# Altium PCB 2019.07.15.master.PcbDoc (part 2 of 7) (continued)
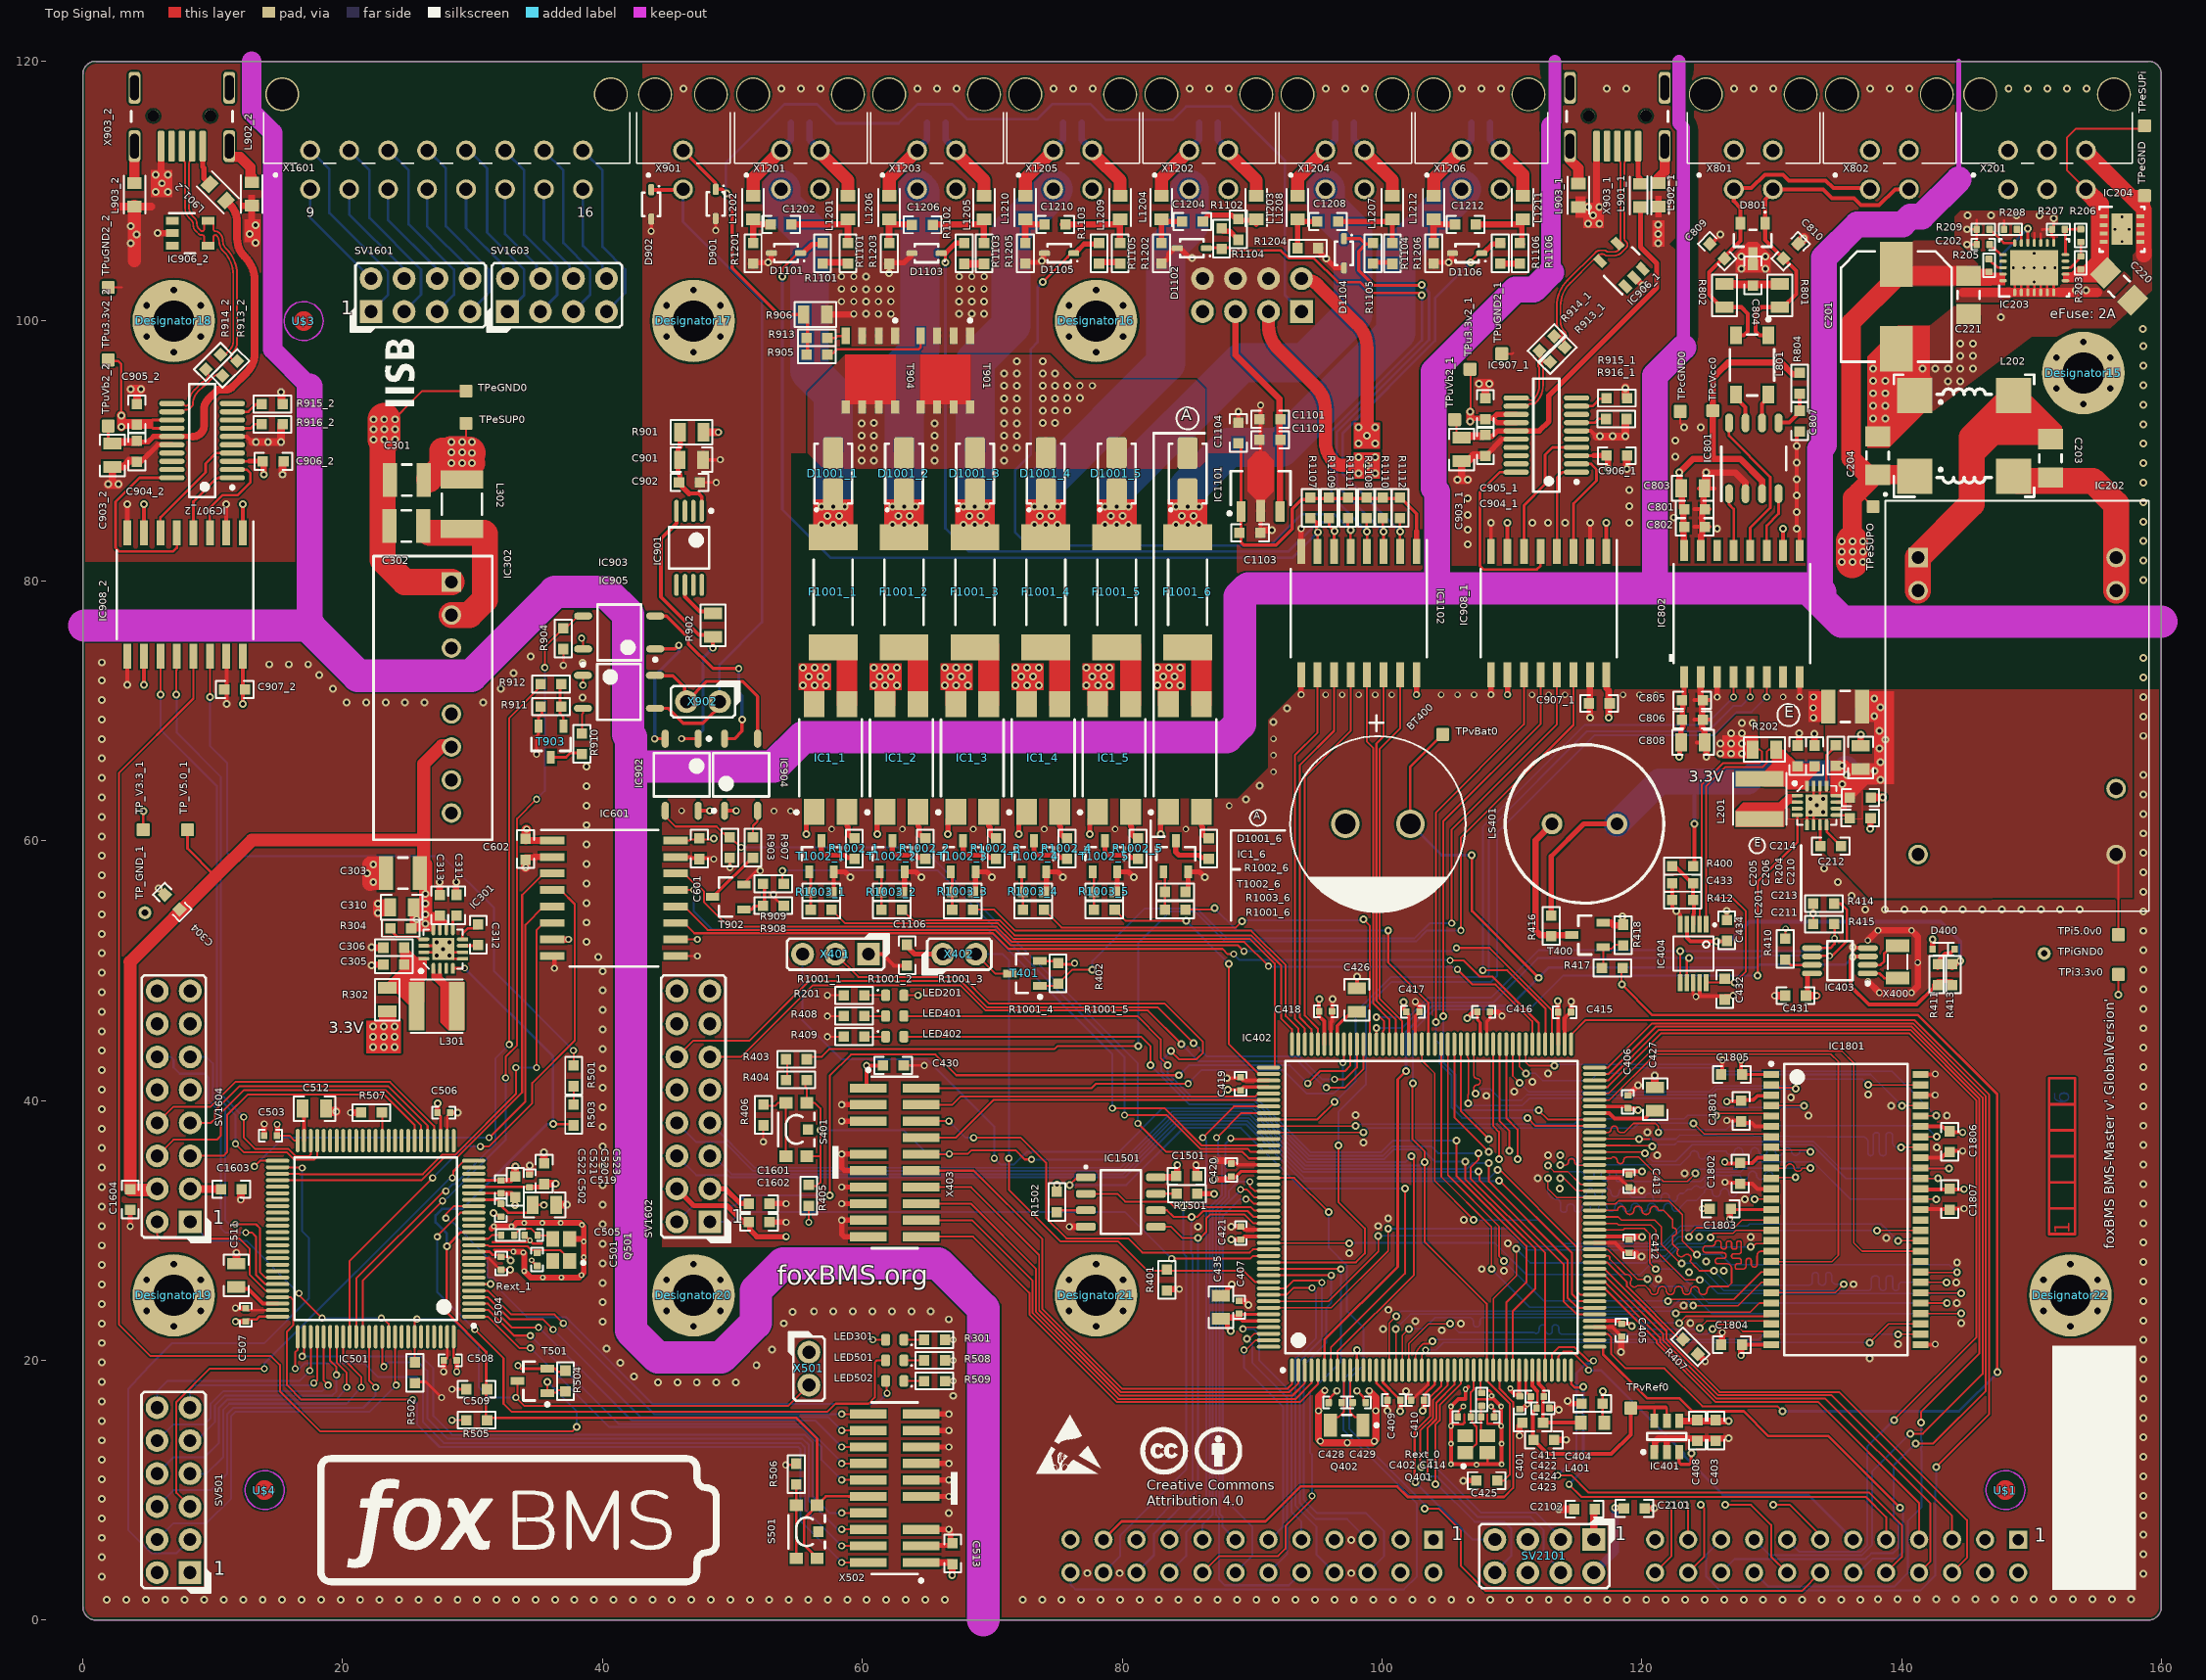
[diagram p0: Top Signal view]
## Part data (continued)
IC501: library part CMP-0243-00030-2, "ARM Cortex-M4 32-bit MCU+FPU, 225 DMIPS, 2048 kB Flash, 256 kB Internal RAM, 82 I/Os, 100-pin LQFP, -40 to 85 degC, Tray", I/Os (High Current)=82, Manufacturer=STMicroelectronics, Operating Frequency(F) (Processor speed) (MHz)=180, Supply Voltage(Vcc) max (V)=3.6, Supply Voltage(Vcc) min (V)=1.8, ComponentLink1Description="Manufacturer URL", ComponentLink1URL=http://www.st.com/web/en/home.html, ComponentLink2Description=Datasheet, ComponentLink2URL=http://www.st.com/st-web-ui/static/active/en/resource/technical/document/data_brief/DM00053488.pdf, ComponentLink3Description="Package Specification", ComponentLink3URL=http://www.st.com/st-web-ui/static/active/en/resource/technical/document/data_brief/DM00071938.pdf, Core="ARM Cortex-M4", D/A Converter=2x12-bit, DatasheetVersion="Rev. 2", FLASH Size (Prog) (kB)=2048, Internal RAM Size (kB)=256, Mounting Technology="Surface Mount", PackageDescription="100-Pin Low Profile Quad Flat Package, 14 x 14 mm Body, 0.5 mm Pitch", PackageReference=LQFP100, PackageVersion="Rev. 1, 06/2013", Packing=Tray, PartNumber=STM32F429VIT6
IC601 IC802 IC906_1 IC906_2 IC908_1 IC908_2 IC1102: "Imported", Manufacturer="Texas Instruments", RefDes=RefDes, TYPE=TYPE
  IC601 IC908_1 IC908_2: PartNumber=ISO7741DWR
  IC802: PartNumber=ISOW7841DWER
  IC906_1 IC906_2: PartNumber=ESDS302DBVR
  IC1102: PartNumber=ISO7760DWR
IC801: "Imported", Manufacturer="Texas Instruments", PartNumber=TCAN1042HGVDQ1, RefDes=RefDes, TYPE=TYPE
IC901: library part CMP-0324-00209-2, "Adjustable Regulator with 3.7 to 38 V Input and 1.2 to 32 V Output, 0 to 125 degC, 8-Pin TSSOP (PW), Green (RoHS & no Sb/Br)", Manufacturer="Texas Instruments", Code_JEDEC=MO-153, ComponentLink1Description=Datasheet, ComponentLink1URL=http://www.ti.com/general/docs/lit/getliterature.tsp?genericPartNumber=LM317L&fileType=pdf, ComponentLink2Description="Package Specification", ComponentLink2URL=http://www.ti.com/litv/pdf/mtss001d, ComponentLink3Description="URL Link1", ComponentLink3URL="Samples URL:http://www.ti.com/product/lm317l#samples", DatasheetVersion=SLCS144D, Eco-Plan="Green (RoHS & no Sb/Br)", Iout(Max)(A)=0.1, Mounting Technology="Surface Mount", PackageDescription="8-Pin Plastic Thin Small Outline Package 3 x 4.4 mm Body ,0.65 mm Pitch", PackageReference=PW8, PackageVersion="revG, Feb-2011", PartId=1, PartNumber=LM317LCPWR, Vin(Max)(V)=38, Vin(Min)(V)=3.7, Vout(Max)(V)=32, Vout(Min)(V)=1.2
IC902 IC903 IC904 IC905: "Single-Pole, Normally Open 4-Pin SOP OptoMOS Relay", Manufacturer=CLARE, Operating Temperature="-40°C - +85°C", Supplier Part Number 1=1653755, Automotive Qualified=False, ComponentLink1Description=Datasheet, ComponentLink1URL=http://www.farnell.com/datasheets/1924621.pdf, Part Name=CPC1008N, Part Number=CPC1008N, Supplier 1=Farnell
IC907_1 IC907_2: library part CMP-0248-00024-2, "USB to Full-Handshake UART Interface Chip, UHCI/OHCI/EHCI Compatible, USB 2.0 Compatible, -40 to +85 degC, 20-Pin SSOP, Pb-Free, Tape and Reel", Manufacturer=FTDI, Code_JEDEC=MO-137-AD, ComponentLink1Description="Manufacturer URL", ComponentLink1URL=http://www.ftdichip.com/, ComponentLink2Description=Datasheet, ComponentLink2URL=http://www.ftdichip.com/Support/Documents/DataSheets/ICs/DS_FT231X.pdf, ComponentLink3Description="FT231X Product Page", ComponentLink3URL=www.ftdichip.com/Products/ICs/FT231X.html, DatasheetVersion="ver 1.2, Feb-2013", PackageDescription="20-Pin Small Outline Package, 8.6 x 3.9 mm Body, 0.635 mm Pitch", PackageReference=SSOP-20, PackageVersion=Feb-13, PartNumber=FT231XS-R, RevisionNote="DatasheetVersion updated to 1.2 Feb-2013"
IC1101: library part CMP-2000-07341-1, "Positive-Voltage Regulator, 100 mA, 0 to 125 degC, 3-Pin SOT-89 (PK), Green (RoHS & no Sb/Br), Tape and Reel", Input Voltage MAX=20V, Input Voltage MIN=7V, Manufacturer=TexasInstruments, Maximum Operating Temperature=+125C, Minimum Operating Temperature=0C, Output Current=100mA, Output Voltage=5V, Package / Case=SOT-89-4, Package Description="3-Pin Small Outline Transistor, Body 4.5 x 2.5 mm, Pitch 1.5 mm", Package Reference=PK0003A, Brand=TexasInstruments, Datasheet URL=http://www.ti.com/lit/ds/symlink/ua78l05.pdf, Datasheet Version="Rev. U, 05/2011", Line Regulation=200mV, Load Regulation=60mV, Manufacturer URL=http://www.ti.com/, Mounting Style=SMD/SMT, Mounting Technology=SurfaceMount, Number of Outputs=1, Output Type=Fixed, Package URL=http://www.ti.com/lit/ml/mhsi001b/mhsi001b.pdf, Packaging=Reel, Polarity=Positive, Product Category=LinearVoltageRegulators, PSRR / Ripple Rejection - Typ=49dB, RoHS=True, Series=UA78L05
IC1501: library part M95M02-DRMN6TP, "FRAM (Ferroelectric RAM) Memory IC 2Mb (256K x 8) SPI 40MHz 8-SOP", Manufacturer="Fujitsu Electronics America, Inc.", Operating Temperature="-40°C - +85°C", PnP Package=SOIC-8, Supplier Part Number 1=865-1286-1-ND, Automotive Qualified=False, ComponentLink1Description=Datasheet, ComponentLink1URL=http://www.st.com/resource/en/datasheet/m95m02-dr.pdf, Part Name=MB85RS2MTAPNF-G-BDERE1, Part Number=MB85RS2MTAPNF-G-BDERE1, Supplier 1=Digikey
IC1801: "SDRAM, 4M x 16 Bit", Manufacturer="INTEGRATED SILICON SOLUTION (ISSI)", Operating Temperature="-40 / o / C to +85 / o / -40°C - +85°C", PnP Package="TSOP II", Supplier Part Number 1=2253831, Automotive Qualified=True, ComponentLink1Description=Datasheet, ComponentLink1URL=http://www.farnell.com/datasheets/1674895.pdf, Part Name=IS42S16400J-7TLI, Part Number=IS42S16400J-7TLI, Supplier 1=Farnell
JP2201 JP2202: library part CMP-1023-00145-1, "Low Profile Socket Strips, Through-hole, Vertical, -55 to 105 degC, 2.54 mm Pitch, 24-Pin, Female, RoHS", Manufacturer=Samtec, Temperature Range="-55 to 105 degC", ComponentLink1Description="Manufacturer URL", ComponentLink1URL=http://www.samtec.com, ComponentLink2Description=Datasheet, ComponentLink2URL=http://www.samtec.com/documents/webfiles/pdf/SLW.PDF, ComponentLink3Description="Package Specification", ComponentLink3URL=http://www.samtec.com/documents/webfiles/cpdf/SLW-1XX-01-X-X-MKT.pdf, DatasheetVersion=F-214, Mounting Technology=Through-hole, Orientation=Vertical, PackageDescription="Low Profile Socket Strip", PackageReference=SLW-112-01-X-D, PackageVersion="X, 9/1987", PartNumber=SLW-112-01-T-D, Pitch="2.54 mm", RoHS=True, System=Connector
L201 L301: library part INDUCTOR, "1u 3.8A 25mR 20% IFSC-1515 inductor, RoHS compliant", DBDesc="Wurth 74404042010, 1u 3.2A 27mR 30% inductor, RoHS compliant", ID=25863
L202: library part 744272222, "2.2mH @ 100kHz 2 Line Common Mode Choke Surface Mount 7.5 kOhms @ 4MHz 750mA DCR 300mOhm", Manufacturer="Wurth Electronics Inc.", SupplierPartNumber=732-1494-1-ND, Built_By=EMA_UL_Team, Copyright="Copyright (C) 2018 Accelerated Designs. All rights reserved", Manufacturer_Part_Number=744272222, RefDes=RefDes, TYPE=DEV, Vendor=Murata
L302: library part Inductor, "3.9µH Unshielded Wirewound Inductor 1.32A 140mOhm Max 1812 (4532 Metric)", PartNumber=RLS-397, Code_IEC=1005, Code_JEITA=4532, LatestRevisionDate=29-May-2009, LatestRevisionNote="IPC-7351 Footprint Added.", PackageDescription="Chip Inductor", PackageReference=4532, Published=8-Jun-2000, Publisher="Altium Limited"
L401: library part CMP-0686-00649-2, "Chip Ferrite Bead for General Signal lines, 470 Ohm, 700 mA, -55 to 125 degC, 2 x 1.25 x 1.05 mm SMD, Tape and Reel", DC Resistance="0.19 Ohm Max.", Manufacturer=Murata, Operating Temperature Range="-55 to 125 degC", Rated Current="700 mA", ComponentLink1Description="Manufacturer URL", ComponentLink1URL=http://www.murata.com/, ComponentLink2Description=Datasheet, ComponentLink2URL=http://www.murata.com/products/catalog/pdf/c31e.pdf, ComponentLink3Description="Package Specification", ComponentLink3URL=http://www.murata.com/products/catalog/pdf/c31e.pdf, DatasheetVersion=08/2013, Impedance (at 100 MHz)="470 Ohm +/- 25%", Mounting Technology="Surface Mount", PackageDescription="2-Pin Chip, Body 2 x 1.25 mm", PackageReference=BLM21_H1050-2, Packing="Tape and Reel", PartNumber=BLM21AG471SN1J
L801: library part CMP-2000-05391-1, "Common-Mode Choke for CAN Bus System, 51uH, 50 V DC, -40 to 150 degC, 4-Pin SMD, RoHS, Tape and Reel", Current=200mA, DC Resistance (DCR)=1OhmMax, Inductance=51µH, Manufacturer=TDK, Operating Temperature=-40degC~150degC, Package / Case=Horizontal,4PCPad, Standard Package=1, Catalog Drawings="(ACM4532,ACT45B)-xxx-2P_Top /  / ACT45B-xxx-2P_Side /  / ACT45B-xxx-2P_Bottom", Category=Filters, Datasheet URL=https://datasheet.ciiva.com/22726/1649098-22726290.pdf, Datasheet Version=Aug-12, Dynamic Catalog=ACTSeries, Family=CommonModeChokes, Featured Product=FerriteChipCommon-ModeFilterforCAN-BUSSystem, Filter Type=Data,SignalLine, Impedance=2.8kOhm, Manufacturer URL=http://www.tdk.com/, Mounting Type=SurfaceMount, Number of Lines=2, Other Drawings="ACM3225SeriesSchematic /  / ACT45B-xxx-2P_Footprint", Other Names=445-3958-6, Packaging=Digi-Reel, Series=ACT
L901_1 L901_2 L902_1 L902_2 L903_1 L903_2 L1201 L1202 L1203 L1204 L1205 L1206 L1207 L1208 L1209 L1210 L1211 L1212: library part C5133952-28DE-41F1-874F-4A9C3E40D898, "Chip Ferrite Bead for General Signal lines, 470 Ohm, 700 mA, -55 to 125 degC, 2 x 1.25 x 1.05 mm SMD, Tape and Reel", DC Resistance="0.19 Ohm Max.", Manufacturer=Murata, Operating Temperature Range="-55 to 125 degC", Rated Current="700 mA", ComponentLink1Description="Manufacturer URL", ComponentLink1URL=http://www.murata.com/, ComponentLink2Description=Datasheet, ComponentLink2URL=http://www.murata.com/products/catalog/pdf/c31e.pdf, ComponentLink3Description="Package Specification", ComponentLink3URL=http://www.murata.com/products/catalog/pdf/c31e.pdf, DatasheetVersion=08/2013, Impedance (at 100 MHz)="470 Ohm +/- 25%", Mounting Technology="Surface Mount", PackageDescription="2-Pin Chip, Body 2 x 1.25 mm", PackageReference=BLM21_H1050-2, Packing="Tape and Reel", PartNumber=BLM21AG471SN1J
LED201 LED301: library part gen_LED_0603_orange, "LED", Breakdown Voltage=5V, Continuous Forward Current=20mA, Forward Voltage @ 20mA=2.2V, PnP Package=LED_0603, Supplier Part Number 1=2099222, Automotive Qualified=False, Color=orange, Part Number=gen_LED_0603_orange, Supplier 1=Farnell
LED401 LED501: library part gen_LED_0603_red, "LED", Breakdown Voltage=5V, Continuous Forward Current=20mA, Forward Voltage @ 20mA=2V, PnP Package=LED_0603, Supplier Part Number 1=2099221, Automotive Qualified=False, Color=red, Part Number=gen_LED_0603_red, Supplier 1=Farnell
LED402 LED502: library part gen_LED_0603_green, "LED", Breakdown Voltage=5V, Continuous Forward Current=20mA, Forward Voltage @ 20mA=2.2V, PnP Package=LED_0603, Supplier Part Number 1=2099223, Automotive Qualified=False, Color=green, Part Number=gen_LED_0603_green, Supplier 1=Farnell
LS401: library part Speaker, "Loudspeaker", DBDesc="BUZZER PIEZO 4KHZ 12.2MM PC MNT, RoHS compliant", ID=17009
Q401 Q501: library part CMP-0449-00001-1, "Crystal,CRYSTAL 40MHZ 15PF 85degC Surface Mount 2.5 x 2.0 mm", Frequency Range="32000 kHz", Load Capacitance="8 pF", Manufacturer=Kyocera, Motional Series Resistance="50 ohm (max)", Operating Temperature="-10 to 70 degC", Supplier Part Number 1=FH4000039DKR-ND, ComponentLink1Description="Manufacturer URL", ComponentLink1URL=http://global.kyocera.com/, ComponentLink2Description=Datasheet, ComponentLink2URL=http://global.kyocera.com/prdct/electro/pdf/xtal/cx2520db_cs_e.pdf, ComponentLink3Description="Package Specification", ComponentLink3URL=http://global.kyocera.com/prdct/electro/pdf/xtal/cx2520db_cs_e.pdf, Drive Level="10uW (100uW max.)", Mounting Technology="Surface Mount", PackageDescription="4-Pin Hand Drawn，Body 2.5x2mm", PackageReference=CX2520DB32000D0GEJZ1-4, Packing="Tape and Reel", PartNumber=CX2520DB32000D0GEJZ1, Supplier 1=Digi-Key
Q402: library part CMP-2000-05107-1, "Crystal, 32.768 KHz, 12.5 pF, -40 to 85 degC, 2-Pin SMD, RoHS, Tape and Reel", Frequency Stability=20PPM, Load Capacitance=12.5pF, Manufacturer=Epson, Operating Temperature Range=-40Cto+85C, Package / Case=3.2mmx1.5mm, Package Description="2-Pin Surface Mount Device, Body 3.2 x 1.5 mm", Package Reference=FC-135, Supplier Part Number 1=SER4071DKR-ND, =Q3805CA00002212, Brand=EpsonTiming, Datasheet URL=https://datasheet.ciiva.com/15116/getdatasheetpartid-112713-15116373.pdf, Datasheet Version=Nov-12, Drive Level=0.5uW, ESR=65kOhms, Factory Pack Quantity=250, Frequency=32.768kHz, Height=0.8mm, Length=3.2mm, Manufacturer URL=https://www.eea.epson.com/, Mounting Style=SMD/SMT, Packaging=Reel, Product Category=Crystals, RoHS=True, Series=FC-135R/FC-135/FC-255, Supplier 1=Digi-Key, Termination Style=SMD/SMT, Tolerance=20PPM, TYPE=kHzCrystal, Unit Weight=0.000564oz, Width=1.5mm
R201 R301 R408 R409 R508 R509: library part gen_R_130R_0603, "SMD Resistor 130R 0603", Case EIA=0603, Case Metric=1608, Maximum Working Voltage=75V, Operating Temperature="-55°C - +155°C", PnP Package=R_0603, Power=0.1W, Supplier Part Number 1=2379959, Tolerance=1%, Automotive Qualified=False, Part Number=gen_R_130R_0603, PnP Value=130R, Resistance=130R, Series="E24, E96", Supplier 1=Farnell
R202 R203 R204 R205 R206 R207 R208 R209 R302 R304 R400 R410 R411 R412 R413 R414 R415: library part Res2, "Resistor"
  R202 R302: DBDesc="10m 0805 0-350ppm 5% 250mW current sense resistor, RoHS compliant", ID=21805
  R203 R204 R205 R206 R207 R208 R209 R304: DBDesc="10k 1% 63mW 0402 thick-film resistor, RoHS compliant", ID=13032
  R400 R410 R412: DBDesc="100k 1% 63mW 0402 AEC-Q200 qualified metal-film resistor, RoHS compliant", ID=21290
  R411: DBDesc="do not populate, RoHS compliant", ID=908, Preffered ID=12508
  R413: DBDesc="10M 1% 63mW  0402 thick-film resistor, RoHS compliant", ID=8887
  R414 R415: DBDesc="4.7k 1% 63mW 0402 thick-film resistor, RoHS compliant", ID=13036
R401 R402 R405 R407 R418 R502 R504 R505 R507 R903 R904 R908 R911 R1003_1 R1003_2 R1003_3 R1003_4 R1003_5 R1003_6 R1107 R1108 R1109 R1110 R1111 R1112 R1501 R1502: library part gen_R_10k_0603, "SMD Resistor 10k 0603", Case EIA=0603, Case Metric=1608, Maximum Working Voltage=75V, Operating Temperature="-55°C - +155°C", PnP Package=R_0603, Power=0.1W, Supplier Part Number 1=2073349, Tolerance=1%, Automotive Qualified=False, Part Number=gen_R_10k_0603, PnP Value=10k, Resistance=10k, Series="E24, E96", Supplier 1=Farnell
R403 R406 R501 R506 R915_1 R915_2 R916_1 R916_2: library part gen_R_0R_0603, "SMD Resistor 0R 0603", Case EIA=0603, Case Metric=1608, Maximum Working Voltage=75V, Operating Temperature="-55°C - +155°C", PnP Package=R_0603, Power=0.1W, Supplier Part Number 1=2073345, Automotive Qualified=False, Part Number=gen_R_0R_0603, PnP Value=0R, Resistance=0R, Series=Jumper, Supplier 1=Farnell
R404 R503: library part gen_R_680R_0603, "SMD Resistor 680R 0603", Case EIA=0603, Case Metric=1608, Maximum Working Voltage=75V, Operating Temperature="-55°C - +155°C", PnP Package=R_0603, Power=0.1W, Supplier Part Number 1=2797303, Tolerance=1%, Automotive Qualified=False, Part Number=gen_R_680R_0603, PnP Value=680R, Resistance=680R, Series=E24, Supplier 1=Farnell
R416: library part gen_R_10k_0603, "SMD Resistor 1k 0603", Case EIA=0603, Case Metric=1608, Maximum Working Voltage=75V, Operating Temperature="-55°C - +155°C", Part Number=gen_R_1k_0603, PnP Package=R_0603, Power=0.1W, Tolerance=1%, Automotive Qualified=False, PnP Value=1k, Resistance=1k, Series="E24, E96"
R417 R901 R905 R909 R912 R913 R1001_1 R1001_2 R1001_3 R1001_4 R1001_5 R1001_6 Rext_0 Rext_1: library part gen_R_10R_0603, "SMD Resistor 10R 0603", Case EIA=0603, Case Metric=1608, Maximum Working Voltage=75V, Operating Temperature="-55°C - +155°C", PnP Package=R_0603, Power=0.1W, Supplier Part Number 1=2073361, Tolerance=1%, Automotive Qualified=False, Part Number=gen_R_10R_0603, PnP Value=10R, Resistance=10R, Series="E24, E96", Supplier 1=Farnell
R801 R802: library part gen_R_62R_0603, "SMD Resistor 62R 0603", Case EIA=0805, Case Metric=1608, Maximum Working Voltage=75V, Operating Temperature="-55°C - +155°C", PnP Package=R_0603, Power=0.1W, Supplier Part Number 1=2073943, Tolerance=1%, Automotive Qualified=False, Part Number=gen_R_62R_0603, PnP Value=59, Resistance=59, Series=E24, Supplier 1=Farnell
R804 R907 R910 R1002_1 R1002_2 R1002_3 R1002_4 R1002_5 R1002_6: library part gen_R_430R_0603, "SMD Resistor 430R 0603", Case EIA=0603, Case Metric=1608, Maximum Working Voltage=75V, Operating Temperature="-55°C - +155°C", PnP Package=R_0603, Power=0.1W, Supplier Part Number 1=2074259, Tolerance=1%, Automotive Qualified=False, Part Number=gen_R_430R_0603, Series=E24, Supplier 1=Farnell
  R804: PnP Value=0, Resistance=0
  R907 R910 R1002_1 R1002_2 R1002_3 R1002_4 R1002_5 R1002_6: PnP Value=430R, Resistance=430R
R902: library part gen_R_120R_0603, "SMD Resistor 120R 0603", Case EIA=0603, Case Metric=1608, Maximum Working Voltage=75V, Operating Temperature="-55°C - +155°C", PnP Package=R_0603, Power=0.1W, Supplier Part Number 1=2073369, Tolerance=1%, Automotive Qualified=False, Part Number=gen_R_120R_0603, PnP Value=120R, Resistance=120R, Series=E24, Supplier 1=Farnell
R906: library part gen_R_330R_0603, "SMD Resistor 330R 0603", Case EIA=0603, Case Metric=1608, Maximum Working Voltage=75V, Operating Temperature="-55°C - +155°C", PnP Package=R_0603, Power=0.1W, Supplier Part Number 1=2692155, Tolerance=1%, Automotive Qualified=False, Part Number=gen_R_330R_0603, PnP Value=330R, Resistance=330R, Series=E24, Supplier 1=Farnell
R913_1 R913_2 R914_1 R914_2: library part gen_R_27R_0603, "SMD Resistor 27R 0603", Case EIA=0603, Case Metric=1608, Maximum Working Voltage=75V, Operating Temperature="-55°C - +155°C", PnP Package=R_0603, Power=0.1W, Supplier Part Number 1=2059559, Tolerance=1%, Automotive Qualified=False, Part Number=gen_R_27R_0603, PnP Value=27R, Resistance=27R, Series=E24, Supplier 1=Farnell
R1101 R1101 R1102 R1102 R1103 R1103 R1104 R1104 R1105 R1105 R1106 R1106 R1201 R1202 R1203 R1204 R1205 R1206: library part gen_R_47R_0603, "SMD Resistor 47R 0603", Case EIA=0603, Case Metric=1608, Maximum Working Voltage=75V, Operating Temperature="-55°C - +155°C", PnP Package=R_0603, Power=0.1W, Supplier Part Number 1=2303030, Tolerance=1%, Automotive Qualified=False, Part Number=gen_R_47R_0603, PnP Value=47R, Resistance=47R, Series=E24, Supplier 1=Farnell
S401 S501: "Microminiature Tactile Switch", Manufacturer="CK Components", Operating Temperature="-40°C - +85°C", Supplier Part Number 1=1201424, Automotive Qualified=False, ComponentLink1Description=Datasheet, ComponentLink1URL=http://www.farnell.com/datasheets/1685525.pdf, Part Number=KMR221GLFS, Supplier 1=Farnell, Supplier 2=Digikey, Supplier 3=Mouser, Supplier Part Number 2=401-1426-1-ND, Supplier Part Number 3=611-KMR211G-LFS
SV501: "Board-To-Board Connector, Vertical, 2.54 mm, 12 Contacts, Header, TSW Series, Through Hole, 2 Rows", Manufacturer=Samtec, Operating Temperature="-55°C - +125°C", Part Name=TSW-106-07-G-D, Rated Voltage="500V AC mated with SSW", Supplier Part Number 1=2025252, Automotive Qualified=False, Circuits=12, ComponentLink1Description=Datasheet, ComponentLink1URL=http://www.farnell.com/datasheets/1992055.pdf?_ga=2.196729640.569325269.1503285096-1413671594.1503025027, Part Number=samtec_TSW-106-07-G-D, Supplier 1=Farnell
SV901: "Board-To-Board Connector, Dual, 2.54 mm, 8 Contacts, Receptacle, SLW Series, Through Hole, 2 Rows", Manufacturer=Samtec, Operating Temperature="-55°C - +125°C", Part Name=SLW-104-01-G-D, Rated Current=5.2A, Rated Voltage="406VAC Voltage rating", Supplier Part Number 1=1668094, Automotive Qualified=False, Circuits=8, ComponentLink1Description=Datasheet, ComponentLink1URL=http://www.farnell.com/datasheets/1927699.pdf, Part Number=samtec_SLW-104-01-G-D, Supplier 1=Farnell, System=Connector
SV1601 SV1603 SV2101: "Board-To-Board Connector, Vertical, 2.54 mm, 8 Contacts, Header, TSW Series, Through Hole, 2 Rows", Manufacturer=Samtec, Operating Temperature="-55°C - +125°C", Part Name=TSW-104-07-G-D, Rated Voltage="500V AC mated with SSW", Supplier Part Number 1=2025250, Automotive Qualified=False, Circuits=8, ComponentLink1Description=Datasheet, ComponentLink1URL=http://www.farnell.com/datasheets/1992055.pdf, Part Number=samtec_TSW-104-07-G-D, Supplier 1=Farnell, System=Connector
SV1602 SV1604: "Board-To-Board Connector, Vertical, 2.54 mm, 16 Contacts, Header, TSW Series, Through Hole, 2 Rows", Manufacturer=Samtec, Operating Temperature="-55°C - +125°C", Part Name=TSW-108-07-G-D, Rated Voltage="500V AC mated with SSW", Supplier Part Number 1=2578721, Automotive Qualified=False, Circuits=16, ComponentLink1Description=Datasheet, ComponentLink1URL=http://www.farnell.com/datasheets/2061825.pdf, Part Number=samtec_TSW-108-07-G-D, Supplier 1=Farnell, System=Connector
T400 T902 T903 T1002_1 T1002_2 T1002_3 T1002_4 T1002_5 T1002_6: "MOSFET-Transistor, n-Kanal, 1.6 A, 100 V, 0.178 ohm, 10 V, 2.5 V", Manufacturer=Infineon, Maximum Continous Drain Current (25°C)=1.6A, Maximum Drain-Source Voltage=100V, Operating Temperature="-55°C - +150°C", Part Name=NMOS, Supplier Part Number 1=1783928, Automotive Qualified=False, ComponentLink1Description="Datasheet URL", ComponentLink1URL=http://www.farnell.com/datasheets/491501.pdf, Part Number=IRLML0100TRPBF, R_DS(on)=190m, Supplier 1=Farnell, Total Gate Charge=2.5nC
T401 T501: library part CMP-1099-00028-1, "P-Channel SIPMOS Small-Signal-Transistor, -60 V VDS, -0.17 A ID, -55 to 150 degC, PG-SOT23, Reel, Green", Manufacturer=Infineon, ComponentLink1Description="Manufacturer URL", ComponentLink1URL=http://www.infineon.com/, ComponentLink2Description=Datasheet, ComponentLink2URL=http://www.infineon.com/dgdl/BSS84P_Rev2.7%5B1%5D.pdf?folderId=db3a304314dca38901154a72e3951a65&fileId=db3a304330f68606013118ac7a9b4549, ComponentLink3Description="Package Specification", ComponentLink3URL=http://www.infineon.com/dgdl/SOT23-Package_Overview.pdf?folderId=db3a30431936bc4b0119532290053c66&fileId=db3a30431936bc4b0119533468123c85, DatasheetVersion="Rev. 2.7", Green=TRUE, Halogen-free=TRUE, ID (max)="-0.17 A", IDpuls (max)="-0.68 A", Mounting Technology="Surface Mount", PackageDescription="3-Pin Small Outline Transistor Package, 2.9 x 1.3 mm Body, 0.95 mm Pitch", PackageReference=PG-SOT23, PackageVersion=Apr-08, Packing=Reel, PartNumber=BSS84P, Pto t (max)="0.36 W", QG="1 nC", RDS (on) (max)="8,000 mOhm", RDS (on) (max) (@4.5V)="12,000 mOhm", Rth="350 K/W", VDS (max)="-60 V", VGS(th) (max)="-2 V", VGS(th) (min)="-1 V"
T901 T904: library part CMP-2000-07063-1, "N-Channel 60V 30A (Tc) 45W (Tc) Surface Mount PowerPAK® SO-8 -55°C ~ 175°C (TJ)", Ciss - Input Capacitance=1600pF, Id - Continuous Drain Current=30A, Manufacturer=Vishay, Maximum Operating Temperature=+175C, Minimum Operating Temperature=-55C, Package / Case=SO-8, Package Description="8-Pin Surface Mount Device, Body 6.15 x 5.155 mm, Pitch 1.27 mm", Package Reference=POWERPAKSO-8, Pd - Power Dissipation=45W, Rds On - Drain-Source Resistance=12.5mOhms, Vds - Drain-Source Breakdown Voltage=60V, Vgs - Gate-Source Breakdown Voltage=20V, Vgs th - Gate-Source Threshold Voltage=4.5V, Brand=VishaySemiconductors, ComponentLink1Description=SQJA60EP-T1_GE3, ComponentLink1URL=https://www.digikey.com.au/product-detail/en/vishay-siliconix/SQJA60EP-T1_GE3/SQJA60EP-T1_GE3CT-ND/7622832, Configuration=Single, Datasheet URL=http://www.vishay.com/docs/75020/sqja60ep.pdf, Datasheet Version="Rev. A, 06/2012", Factory Pack Quantity=3000, Fall Time=9ns, Forward Transconductance - Min=19S, Manufacturer URL=http://www.vishay.com/, Mounting Style=SMD/SMT, Mounting Technology=SurfaceMount, Packaging=Reel, Part Number=SQJA60EP-T1_GE3, Product Category=MOSFET, Qg - Gate Charge=30nC, Rise Time=13ns, RoHS=Details, Series=SQJAxxEP, Tradename="TrenchFET® power MOSFET", Transistor Polarity=N-Channel, Typical Turn-Off Delay Time=16ns
TP_GND_1 TPiGND0: library part Testpoint_Round_Via, "Testpoint, Via, round", Part Number=Testpoint_Round_Via
TP_V3.3_1 TP_V5.0_1 TPcGND0 TPcVcc0 TPeGND TPeGND0 TPeSUP0 TPeSUPi TPeSUPO TPi3.3v0 TPi5.0v0 TPu3.3v2_1 TPu3.3v2_2 TPuGND2_1 TPuGND2_2 TPuVb2_1 TPuVb2_2 TPvBat0 TPvRef0: "Testpoint, square", Part Number=Testpoint_Square
U$1 U$3 U$4: library part FIDUCIAL_1MM, PackageName=FIDUCIAL_1MM
X201: "Connector", Manufacturer_Name=Molex, Mouser Part Number=538-43045-0621, RS Part Number=6700380, Datasheet Link=http://www.molex.com/webdocs/datasheets/pdf/en-us//0430450621_PCB_HEADERS.pdf, Height=8mm, Manufacturer_Part_Number=43045-0621, Mouser Price/Stock=https://www.mouser.com/Search/Refine.aspx?Keyword=538-43045-0621, RS Price/Stock=https://uk.rs-online.com/web/p/products/6700380
X400: library part CRYSTAL1, DBDesc="32.768kHz ABS07-120, 20ppm, 6pF load, 60k ESR, 3.2x1.5mm crystal, RoHS compliant", ID=22914
X401: "Board-To-Board Connector, Vertical, 2.54 mm, 3 Contacts, Header, TSW Series, Through Hole, 1 Row", Manufacturer=Samtec, Operating Temperature="-55°C - +125°C", Part Name=TSW-103-07-G-S, Supplier Part Number 1=2505045, Automotive Qualified=False, Circuits=3, ComponentLink1Description=Datasheet, ComponentLink1URL=http://www.farnell.com/datasheets/1796313.pdf, Part Number=samtec_TSW-103-07-G-S, Supplier 1=Farnell
X402 X501 X902: "Board-To-Board Connector, Vertical, 2.54 mm, 2 Contacts, Header, TSW Series, Through Hole, 1 Row", Manufacturer=Samtec, Operating Temperature="-55°C - +125°C", Part Name=TSW-102-07-G-S, Supplier Part Number 1=2505044, Automotive Qualified=False, Circuits=2, ComponentLink1Description=Datasheet, ComponentLink1URL=http://www.farnell.com/datasheets/1796313.pdf, Part Number=samtec_TSW-102-07-G-S, Supplier 1=Farnell
X403 X502: library part samtec_FTSH-110-01-L-DV-007-K-P, "Board-To-Board Connector, ARM Cortex Debug Header 20 Pin", Manufacturer=Samtec, Operating Temperature="-55°C - +125°C", Supplier Part Number 1=SAM11268-ND, Automotive Qualified=False, Circuits=20, Part Name=FTSH-110-01-L-DV-007-K-P, Part Number=samtec_FTSH-110-01-L-DV-007-K-P, Supplier 1=Digikey, Supplier 2=Avnet, Supplier Part Number 2=FTSH-110-01-L-DV-007-K-P
X801 X802: "Connector", Manufacturer_Name=Molex, Mouser Part Number=538-43045-0421, RS Part Number=6700346, Allied_Number=70091003, Allied Price/Stock=https://www.alliedelec.com/molexincorporated-43045-0421/70091003/, Datasheet Link=https://www.molex.com/pdm_docs/sd/430450421_sd.pdf, Height=8.77mm, Manufacturer_Part_Number=43045-0421, Mouser Price/Stock=https://www.mouser.com/Search/Refine.aspx?Keyword=538-43045-0421, RS Price/Stock=https://uk.rs-online.com/web/p/products/6700346
X901: "Micro-Fit 3.0 Right Angle Header, 3.00mm Pitch, Dual Row, 2 Circuits, with Snap-in Plastic Peg PCB Lock, Tin, Glow Wire Capable, Black, 43045-0200", Manufacturer=Molex, Operating Temperature="-40°C - +105°C", Part Name=MicroFit, Rated Current=8.5A, Rated Voltage=600V, Supplier Part Number 1=1012251, Automotive Qualified=False, Circuits=2, Part Number=molex_microfit_3_01x2_THT, Supplier 1=Farnell
X903_1 X903_2: library part MOLX-67503-1020, "USB, MINI, SMD, RA KME04-USBMU03A01", Manufacturer=Molex, ComponentLink1Description="Manufacturer URL", ComponentLink1URL=http://www.molex.com/, ComponentLink2Description=Datasheet, ComponentLink2URL=http://www.molex.com/pdm_docs/sd/675031020_sd.pdf, DatasheetVersion="Rev F, 06/2009", Mounting Technology="Surface Mount", PackageDescription="Mini USB Connector, TH, Righer Angle", PackageReference=54819-0589, PartNumber=54819-0589, Terminal Pitch="0.8 mm"
X1201 X1202 X1203 X1204 X1205 X1206: "Micro-Fit 3.0 Right Angle Header, 3.00mm Pitch, Dual Row, 4 Circuits, with Snap-in Plastic Peg PCB Lock, Tin, Glow Wire Capable, Black, 43045-0400", Manufacturer=Molex, Operating Temperature="-40°C - +105°C", Part Name=MicroFit, Rated Current=8.5A, Rated Voltage=600V, Supplier Part Number 1=9733019, Automotive Qualified=False, Circuits=4, Part Number=molex_microfit_3_02x2_THT, Supplier 1=Farnell
X1601: "Micro-Fit 3.0 Right Angle Header, 3.00mm Pitch, Dual Row, 16 Circuits, with Snap-in Plastic Peg PCB Lock, Tin, Glow Wire Capable, Black, 43045-1600", Manufacturer=Molex, Operating Temperature="-40°C - +105°C", Part Name=MicroFit, Rated Current=8.5A, Rated Voltage=600V, Supplier Part Number 1=9961380, Automotive Qualified=False, Circuits=16, Part Number=molex_microfit_3_08x2_THT, Supplier 1=Farnell
IC403: DBDesc="DS1339U-33+ RTC I2C w/alarm USOP-8, RoHS compliant", ID=11376
IC404: DBDesc="Linear LTC2990IMS quad I2C voltage, current and temperature monitor, -40°C to +85°C, 10-pin MSOP, RoHS compliant", ID=19355

## Via types
v1: diameter 0.6, hole 0.3, Top Signal to Bottom Signal, 988 vias
v2: diameter 0.55, hole 0.3, Top Signal to Bottom Signal, tented both sides, 231 vias
v3: diameter 0.5, hole 0.3, Top Signal to Bottom Signal, tented both sides, 42 vias
v4: diameter 0.45, hole 0.2, Top Signal to Bottom Signal, 31 vias
v5: diameter 0.55, hole 0.3, Top Signal to Bottom Signal, 12 vias
v6: diameter 0.6, hole 0.3, Top Signal to Bottom Signal, tented both sides, 5 vias
v7: diameter 0.5, hole 0.3, Top Signal to Bottom Signal, 1 vias